# Allegro board BeagleBoard-xM.brd (continued)
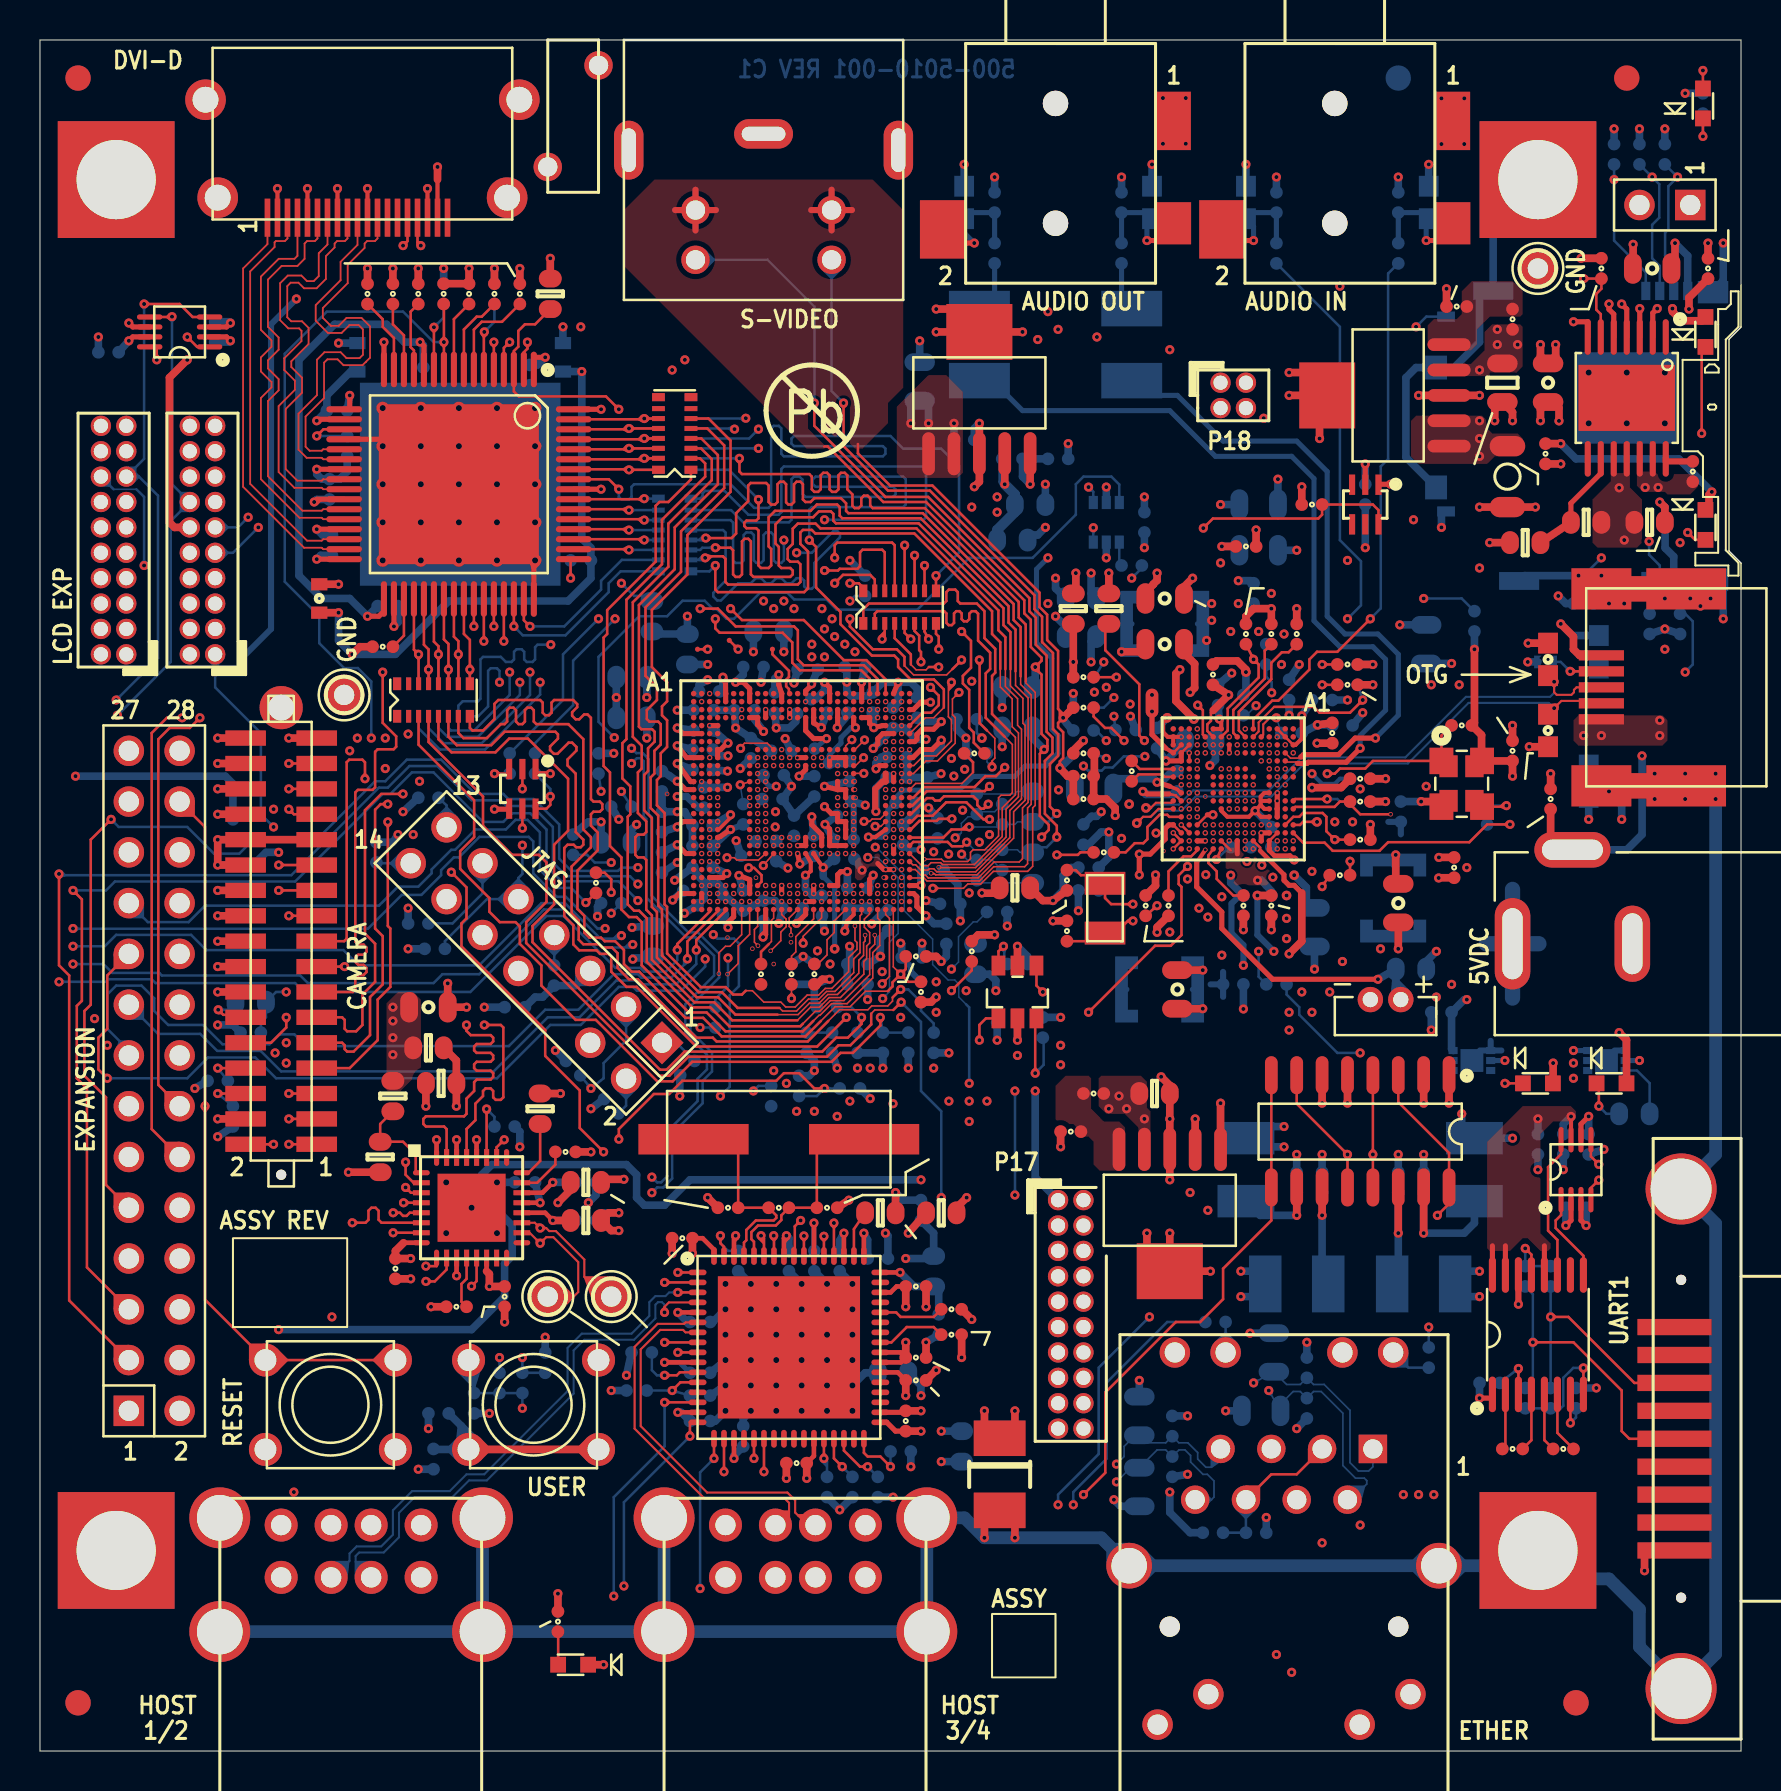
[diagram p0: board, top side]
## Routing (per net, layer and track width the routed paths; a pad name or vN(x,y) marks a point on that pad's centre or on a via; arc(x,y) is an arc through that point) (continued)
  LYR4-SIG w0.076: 25.77,47.3 27.78,49.31 28.73,49.31 29.13,49.71 29.13,50.58 29.59,51.04 31.5,51.04 31.72,50.81 32.52,50.81 33.91,52.2 38.04,52.2 38.61,51.63 40.89,51.63 41.47,52.2 42.99,52.2 44.39,53.59 44.73,53.59 45.36,52.96 v1(45.97,52.96)
  LYR4-SIG w0.127: 25.77,47.3 25.59,47.12 23.49,47.12 23.08,47.54 22.56,47.54 22.33,47.31 21.59,47.31 21.23,47.67 19.51,47.67 19.25,47.41 17.44,47.41 v1(17.4,47.37)
CAM_D8: length 54.7
  TOP w0.127: v1(17.4,46.48) 17.4,41.27 17.53,41.15 17.53,38.23 16.89,37.59 16.89,35.56 15.49,34.16 13.84,34.16
  LYR3-SIG w0.076: v2(43.1,49.3) 44.62,49.3 44.81,49.48 45.25,49.48 45.45,49.28 45.8,49.28 45.96,49.11 v1(46.25,49.11)
  LYR4-SIG w0.076: 26.24,46.84 26.24,47.05 27.98,48.79 31.64,48.79 31.72,48.88 32.03,48.88 32.12,48.79 33.1,48.79 33.72,49.42 34.58,49.42 34.95,49.78 35.26,49.78 35.79,50.32 36.68,50.32 36.96,50.04 37.97,50.04 38.86,49.15 40.08,49.15 40.89,48.34 41.41,48.34 41.62,48.13 42.72,48.13 42.98,48.39 44.63,48.39 44.73,48.29 45.9,48.29 46.25,48.64 v1(46.25,49.11)
  LYR4-SIG w0.127: v1(17.4,46.48) 17.4,45.72 17.69,45.43 18.84,45.43 19.39,45.97 19.39,46.6 19.94,47.16 20.85,47.16 21.68,46.33 23.51,46.33 23.77,46.58 25.23,46.58 25.46,46.36 25.46,45.91 25.78,45.59 26.11,45.59 26.24,45.72 26.24,46.84
CAM_D9: length 54.8
  TOP w0.127: P10.5 v1(12.45,32.89)
  LYR3-SIG w0.076: v1(45.71,48.77) 45.44,49.05 45.22,49.26 44.92,49.26 44.55,48.9 v2(43.1,48.9)
  LYR3-SIG w0.127: v1(12.45,32.89) 14.22,32.89 15.55,34.22 15.55,34.43 15.25,34.72 15.25,34.94 15.4,35.08 15.61,35.08 15.91,34.79 16.12,34.79 16.57,35.24 16.57,37.53 17.53,38.48 17.53,40.39 18.87,41.73 18.87,42.6 17.58,43.89 17.58,45.21 17.73,45.37 18.19,45.37 v1(18.67,45.85)
  LYR4-SIG w0.076: 25.97,47.11 27.89,49.03 32.6,49.03 33.91,50.34 33.91,50.55 34.24,50.88 34.54,50.88 34.78,50.64 36.77,50.64 37.12,50.28 38.11,50.28 38.99,49.4 40.11,49.4 40.97,48.54 41.48,48.54 41.66,48.36 42.62,48.36 42.93,48.67 44.68,48.67 44.83,48.51 45.45,48.51 v1(45.71,48.77)
  LYR4-SIG w0.127: 25.97,47.11 25.72,46.86 23.56,46.86 23.39,46.7 21.76,46.7 21.04,47.42 19.73,47.42 18.67,46.36 v1(18.67,45.85)
CAM_D10: length 54.6
  TOP w0.127: P10.3 v1(12.45,31.62)
  LYR2-GND w0.076: 41.76,54.13 41.76,54 41.86,53.9 41.86,52.94 v3(42.3,52.5)
  LYR2-GND w0.127: 41.76,54.13 41.76,54.32 41.49,54.59 41.09,54.99 v1(40.77,54.99)
  LYR3-SIG w0.127: v1(18.99,48.51) 19.3,48.2 19.3,47.88 19.43,47.75 20.07,47.75 20.19,47.62 20.19,47.37 20.07,47.24 19.43,47.24 19.3,47.12 19.3,45.85 19.81,45.34 19.81,43.69 19.3,43.18 19.3,41.66 17.91,40.26 17.91,38.25 16.95,37.3 16.95,34.99 14.61,32.64 14.61,31.81 14.48,31.69 14.16,31.69 14.03,31.81 14.03,32.32 13.91,32.45 13.59,32.45 13.46,32.32 13.46,31.75 13.34,31.62 v1(12.45,31.62)
  LYR4-SIG w0.076: 39.9,54.13 39.76,53.99 39.76,52.93 39.6,52.77 31.69,52.77 30.73,51.82 28.32,51.82 27.69,51.18 27.69,50.23 27.56,50.1 26.92,50.1 26.12,49.3 25.43,49.3
  LYR4-SIG w0.127: 25.43,49.3 25.07,49.3 24.32,48.55 23.96,48.55 23.88,48.48 19.02,48.48 v1(18.99,48.51) ; v1(40.77,54.99) 39.9,54.13
CAM_D11: length 54.7
  TOP w0.127: P10.1 v1(12.45,30.35)
  LYR2-GND w0.076: v3(42.7,52.1) 42.7,52.93 42.3,53.33 42.3,54.13
  LYR2-GND w0.127: v1(39.62,56.64) 39.9,56.64 40.41,56.13 40.66,56.13 42.3,54.49 42.3,54.13
  LYR3-SIG w0.127: v1(18.41,50.88) 18.41,49.02 16.95,47.56 16.95,38.48 16.19,37.72 16.19,36.96 12.76,33.53 12.38,33.53 12.03,33.17 12.03,31.22 12.45,30.8 v1(12.45,30.35)
  LYR4-SIG w0.076: 25.43,51.6 25.65,51.6 28.28,54.23 30.1,54.23 31.37,55.5 32.38,55.5 32.92,56.03 34.2,56.03
  LYR4-SIG w0.127: 34.2,56.03 34.29,56.03 34.58,56.32 38.8,56.32 39.12,56.64 v1(39.62,56.64) ; 25.43,51.6 21.88,51.6 21.65,51.37 18.91,51.37 v1(18.41,50.88)
CAM_FLD: length 54.5
  TOP w0.127: P10.10 11.56,35.43 12.32,36.2 v1(12.32,36.7)
  LYR2-GND w0.076: 40.51,54.06 40.73,53.85 40.73,53.31 41.18,52.86 41.18,52.42 v3(41.5,52.1)
  LYR2-GND w0.127: v1(38.61,55.37) 39.31,55.37 39.75,54.93 39.75,54.7 40.38,54.06 40.51,54.06
  LYR3-SIG w0.127: v1(12.32,36.7) 12.32,36.27 12.47,36.12 13.18,36.12 13.91,36.84 13.91,41.02 15.43,42.55 15.43,42.86 15.28,43.01 14.63,43.01 14.48,43.16 14.48,43.37 14.63,43.52 15.28,43.52 15.43,43.67 15.43,43.88 15.28,44.03 14.63,44.03 14.48,44.17 14.48,44.38 14.63,44.53 15.28,44.53 15.43,44.68 15.43,48.77 15.05,49.15 15.05,49.59 v1(15.49,50.04)
  LYR4-SIG w0.076: 25.43,50.32 25.74,50.32 26.61,51.18 26.61,51.63 28.45,53.47 30.99,53.47 31.5,53.98 31.5,54.47 31.75,54.72 34.18,54.72 34.2,54.7
  LYR4-SIG w0.127: 25.43,50.32 24.8,50.32 24.32,50.8 22.54,50.8 21.44,49.7 15.84,49.7 v1(15.49,50.04) ; 34.2,54.7 34.92,54.7 35.05,54.57 35.86,54.57 36.11,54.82 36.11,55.28 36.32,55.5 37.47,55.5 37.59,55.37 v1(38.61,55.37)
CAM_HS: length 54.5
  TOP w0.127: v1(33.02,57.15) 33.91,57.15 34.8,56.26 37.72,56.26 37.91,56.07 37.91,54.61 38.2,54.32 41.21,54.32 41.9,53.63 U4.A24 ; 13.84,48.13 v1(12.45,48.13)
  LYR4-SIG w0.076: 25.43,52.11 25.58,52.11 28.19,54.71 29.82,54.71 30.03,54.92 30.03,55.05 29.84,55.24 29.84,55.36 29.93,55.45 30.05,55.45 30.25,55.26 30.37,55.26 30.46,55.35 30.46,55.48 30.27,55.67 30.27,55.8 30.36,55.89 30.48,55.89 30.68,55.69 30.8,55.69 30.9,55.79 30.9,55.89 30.72,56.07 30.72,56.22 30.83,56.34 30.99,56.34 31.32,56.01 31.51,56.01 31.6,56.1 31.6,57.06 31.69,57.15 31.81,57.15 31.9,57.06 31.9,56.1 31.99,56.01 32.14,56.01 32.65,56.52 33.13,56.52 33.46,56.85 33.46,57.02 33.34,57.15 v1(33.02,57.15)
  LYR4-SIG w0.127: 25.43,52.11 21.5,52.11 21.4,52.01 18.8,52.01 18.67,52.13 18.67,53.02 18.54,53.15 18.34,53.15 18.21,53.02 18.21,52.13 18.08,52.01 17.86,52.01 17.73,52.13 17.73,53.02 17.6,53.15 16.36,53.15 16.23,53.28 16.23,54 16.1,54.13 14.71,54.13 14.07,53.49 11.46,53.49 10.72,52.76 10.72,51.51 12.17,50.06 12.75,50.06 12.88,49.94 12.88,48.84 12.75,48.72 12.04,48.72 11.91,48.59 11.91,48.26 12.04,48.13 v1(12.45,48.13)
CAM_IO: length 119.1
  TOP w0.381: P10.18 v1(8.89,40.51) ; P10.16 v1(8.89,39.24)
  LYR3-SIG w0.203: v2(62.29,50.33) 62.29,50.35 63.89,51.94
  LYR3-SIG w0.305: v1(65.02,73.28) 65.02,62.23 67.18,60.07 67.18,52.45 66.67,51.94 v1(66.17,51.94) ; v1(8.89,39.24) v1(8.89,40.51)
  LYR3-SIG w0.381: 63.89,51.94 v1(66.17,51.94)
  LYR4-SIG w0.305: v1(8.89,40.51) 8.26,41.15 8.26,50.93 8.78,51.45 8.78,53.35 v1(10.1,54.67) ; v1(65.02,73.28) 13.46,73.28 v1(12.83,72.64)
  BOTTOM w0.305: v1(10.1,54.67) 11.56,56.13 11.56,71.37 v1(12.83,72.64)
  BOTTOM w0.381: 65.66,51.31 v1(66.17,51.94)
CAM_PCLK: length 54.5
  TOP w0.127: 13.84,46.86 12.7,46.86 v1(12.45,47.12)
  LYR2-GND w0.076: v3(43.1,52.1) 42.85,52.35 42.85,53.02 42.56,53.31 42.56,53.62 42.56,54.02
  LYR2-GND w0.127: 42.56,54.02 42.56,54.6 40.93,56.22 40.93,56.82 40.69,57.06 39.2,57.06 v1(39.12,57.15)
  LYR4-SIG w0.076: 34.2,56.41 34.06,56.27 32.78,56.27 32.26,55.75 31.24,55.75 29.97,54.48 28.26,54.48 25.63,51.85 25.43,51.85
  LYR4-SIG w0.127: v1(12.45,47.12) 12.76,46.8 13.4,46.8 13.53,46.93 13.53,52.86 13.65,52.98 13.87,52.98 14,52.86 14,49.91 14.12,49.78 14.92,49.78 15.05,49.91 15.05,51.51 15.18,51.64 15.37,51.64 15.49,51.51 15.49,51.24 15.62,51.12 15.81,51.12 15.94,51.24 15.94,52.04 16.07,52.17 16.26,52.17 16.38,52.04 16.38,51.24 16.51,51.12 16.7,51.12 16.83,51.24 16.83,52.64 16.95,52.77 17.12,52.77 17.25,52.64 17.25,51.27 17.4,51.12 17.65,51.12 17.78,51.24 17.78,51.56 17.91,51.69 21.53,51.69 21.69,51.85 25.43,51.85 ; 34.2,56.41 34.37,56.58 38.54,56.58 v1(39.12,57.15)
CAM_VS: length 54.5
  TOP w0.127: U4.A23 41.5,53.65 41.08,54.06 38.01,54.06 37.63,54.44 37.63,55.46 37.15,55.94 34,55.94 33.78,56.16 v1(33.78,56.64) ; 13.84,49.4 v1(12.45,49.4)
  LYR4-SIG w0.076: v1(33.78,56.64) 33.78,57.38 33.63,57.53 31.62,57.53 31.32,57.23 31.32,56.77 31.22,56.67 30.76,56.67 29.59,55.5 29.59,55.07 29.48,54.96 29.33,54.96 29.24,55.05 29.24,55.28 29.15,55.37 29.03,55.37 28.94,55.28 28.94,55.05 28.85,54.96 28.14,54.96 25.54,52.36 25.43,52.36
  LYR4-SIG w0.127: v1(12.45,49.4) 10.54,49.4 10.41,49.53 10.41,49.78 10.54,49.91 11.13,49.91 11.25,50.04 11.25,50.32 11.13,50.44 10.52,50.44 10.39,50.57 10.39,54.15 10.64,54.41 11.09,54.41 11.24,54.26 11.24,53.97 11.39,53.82 11.6,53.82 11.75,53.97 11.75,54.76 11.88,54.89 12.13,54.89 12.26,54.76 12.26,53.97 12.41,53.82 12.62,53.82 12.77,53.97 12.77,54.76 12.89,54.89 13.15,54.89 13.28,54.76 13.28,53.97 13.42,53.82 13.63,53.82 13.78,53.97 13.78,54.65 13.97,54.84 14.17,54.84 14.61,54.41 16.51,54.41 16.64,54.28 16.64,53.59 16.76,53.47 17.55,53.47 17.7,53.62 18.67,53.62 19.05,53.24 19.05,52.49 19.18,52.36 25.43,52.36
CAM_WEN: length 52
  LYR2-GND w0.076: v3(41.5,52.5) 41.47,52.53 41.47,53.62 41.23,53.85 41.23,54.13
  LYR2-GND w0.127: 41.23,54.13 41.13,54.23 41.04,54.32 40.49,54.32 40.01,54.8 40.01,55.03 39.75,55.29 v1(39.75,55.75)
  LYR3-SIG w0.127: v1(15.88,50.67) 15.49,50.67 14.67,49.85 14.67,48.96 15.05,48.58 15.05,45.28 14.73,44.96 14.22,44.96 14.03,44.77 14.03,41.72 13.46,41.15 13.46,38.1 13.34,37.97 v1(12.32,37.97)
  LYR4-SIG w0.076: 25.43,50.57 25.63,50.57 26.37,51.31 26.37,51.7 28.38,53.72 30.86,53.72 31.27,54.13 31.27,54.66 31.6,54.99 32.64,54.99 33.17,55.52 34.2,55.52
  LYR4-SIG w0.127: 34.2,55.52 34.7,55.52 34.99,55.82 35.31,55.82 35.57,55.55 35.86,55.55 36.13,55.82 38.8,55.82 38.99,55.63 39.32,55.63 39.45,55.75 v1(39.75,55.75) ; 25.43,50.57 24.94,50.57 24.42,51.09 22.34,51.09 21.24,49.99 20.75,49.99 20.6,50.14 20.6,50.57 20.45,50.72 20.24,50.72 20.09,50.57 20.09,50.14 19.94,49.99 16.2,49.99 15.88,50.32 v1(15.88,50.67)
  BOTTOM w0.127: R124.2 11.05,36.45 11.3,36.7 R83.2 11.81,37.97 v1(12.32,37.97)
CAP_VDD_DSI: length 3.5
  TOP w0.076: U4.AH20 39.73,41.53 39.73,40.94 39.37,40.58 39.37,39.83 38.91,39.37 C82.1
CAP_VDD_SRAM_CORE: length 8.9
  TOP w0.076: U4.L21 40.71,48.91 v1(41.21,48.91)
  LYR4-SIG w0.076: v4(47.12,50.67) 47.12,49.91 46.74,49.53 46.14,49.53 45.87,49.26 44.82,49.26 44.42,48.87 42.88,48.87 42.6,48.59 41.71,48.59 41.39,48.91 v1(41.21,48.91)
  BOTTOM w0.127: 46.86,51.61 46.86,50.93 v4(47.12,50.67)
CAP_VDD_SRAM_MPU_IVA: length 2.1
  TOP w0.178: v1(34.54,46.84) 34.54,46.69 33.95,46.1 U4.V4
  BOTTOM w0.381: C80.1 v1(34.54,46.84)
CAP_VDD_WKUP: length 2.9
  TOP w0.203: v1(38.29,43.81) 38.56,44.02 38.56,44.45 U4.AA15
  BOTTOM w0.381: C79.1 38.63,42.8 38.29,43.14 v1(38.29,43.81)
CLK24_EN: length 3.3
  TOP w0.127: R106.1 44.7,21.72 43.05,21.72 42.83,21.94 U15.44
CLK256FS: length 5.2
  TOP w0.127: R51.2 v1(64.14,43.24)
  LYR3-SIG w0.127: v1(64.14,43.24) 64.14,44.32 62.13,46.33 v2(61.49,46.33)
CLK_REQ: length 43.8
  LYR3-SIG w0.076: v1(44.83,36.96) 44.13,37.66 44.13,39.15 43.59,39.7 43.59,40.72 42.65,41.66 42.65,42.55 v2(42.3,42.9)
  LYR3-SIG w0.127: v2(60.29,47.53) 60.64,47.88 61.03,47.88 61.47,47.43 63.06,47.43 63.55,46.94 65.02,46.94 65.23,46.74 65.23,46.28 66.42,45.09 66.42,42.01 64.64,40.23 64.64,38.86 64.01,38.23 64.01,37.34 v1(63.63,36.96)
  LYR4-SIG w0.127: v1(44.83,36.96) 45.34,36.45 50.04,36.45 50.76,35.73 60.87,35.73 61.66,36.51 63.18,36.51 v1(63.63,36.96)
CLKOUT: length 5
  TOP w0.127: R98.2 17.02,31.37 R122.1 18.16,30.48 18.8,29.84 18.8,28.93 U14.1
CMOS_OE: length 2.6
  TOP w0.127: v1(8.92,37.08) 9.17,36.83 10.16,36.83 P10.12
  BOTTOM w0.127: R83.1 9.4,37.08 v1(8.92,37.08)
CONN_AUXL: length 6.5
  TOP w0.254: P6.3 70.66,75.56 v1(69.34,75.56)
  BOTTOM w0.254: v1(69.34,75.56) 69.34,76.53 D10.2 69.16,76.96 C100.1 C98.2
CONN_AUXR: length 6.6
  TOP w0.254: P6.2 59.13,75.56 v1(60.71,75.56)
  BOTTOM w0.254: C99.2 C101.1 60.63,76.96 D11.2 60.71,76.28 v1(60.71,75.56)
CONN_HSOL: length 6.6
  TOP w0.254: v1(55.37,75.56) 56.69,75.56 P5.3
  BOTTOM w0.254: R58.2 C90.1 55.32,76.96 D8.2 55.37,76.4 v1(55.37,75.56)
CONN_HSOR: length 6.9
  TOP w0.254: P5.2 45.16,75.44 v1(46.74,75.44)
  BOTTOM w0.254: v1(46.74,75.44) 46.23,75.95 D9.2 46.53,76.96 C89.1 R60.2
CP.CAPM: length 2.2
  TOP w0.127: C106.2 55.01,49.13 56.68,49.13 U7.T6
CP.CAPP: length 2.3
  TOP w0.127: U7.T7 56.69,48.73 56.26,48.73 56.14,48.86 54.95,48.86 C106.1
DC_5V: length 59.3
  LYR3-SIG w0.305: 27.94,83.44 RT1.1 ; RT1.1 27.05,84.33 ; RT1.1 28.83,84.33 ; P11.2 3.57,54.35 ; P11.2 2.53,54.35 ; P11.2 2.53,55.38 ; P11.1 4.84,54.35 ; P11.1 3.8,54.35 ; P11.1 4.84,55.38
  LYR4-SIG w0.381: P9.2 5.71,18.29 3.81,18.29 1.4,20.7 1.4,37.72 2.29,38.61 2.29,48.26 v1(1.78,48.77) 1.78,53.59 P11.2
  BOTTOM w0.381: R154.2 9.65,48.39 9.27,48.77 v1(1.78,48.77)
  vias: v1(72.01,66.55) v1(72.01,65.66) v1(72.01,64.77) v1(76.71,34.42) v1(76.71,33.66) v1(80.29,63.21) v1(80.94,63.21)
DC_5V_USB: length 19.2
  TOP w0.381: U13.6 v1(64.14,32.41) ; U13.2 v1(69.22,32.41) ; v1(57.79,31.62) U16.2 ; v1(59.05,32.41) U16.1
  LYR4-SIG w0.381: v1(69.22,32.41) 68.22,31.42 65.13,31.42 v1(64.14,32.41) v1(59.05,32.41) 58.57,32.41 v1(57.79,31.62)
DC_IN: length 29.2
  TOP w0.381: D13.2 79.36,35.57 v1(78.99,35.94)
  LYR3-SIG w0.762: 72.47,40.39 P2.1 ; P2.1 74.85,40.39 ; P2.1 73.66,37.79 ; P2.1 73.66,42.98
  LYR4-SIG w0.381: v1(66.29,60.2) 70.23,60.2 71.25,59.18 v1(72.01,59.18)
  BOTTOM w0.305: 79.3,35.53 U31.1 78.76,35.04 ; 72.03,35.04 U32.1 ; U32.1 72.57,35.53 ; U32.1 73.1,35.04
  BOTTOM w0.381: R144.1 v1(66.29,60.2)
  BOTTOM w0.762: 72.34,40.39 P2.1 ; P2.1 73.66,43.1 ; P2.1 73.66,37.67 ; P2.1 74.98,40.39
DDC_I2C3_SCL: length 17.4
  TOP w0.127: v1(18.16,75.31) 18.38,75.53 P12.15 ; U12.8 5.84,70.25 v1(5.84,69.6)
  LYR4-SIG w0.127: v1(18.16,75.31) 11.18,75.31 5.84,69.98 v1(5.84,69.6)
DDC_I2C3_SDA: length 16.4
  TOP w0.127: U12.1 7.86,70.25 v1(7.37,70.74) ; v1(19.05,75.31) 18.88,75.48 P12.16
  LYR4-SIG w0.127: v1(19.05,75.31) 18.54,74.8 11.43,74.8 v1(7.37,70.74)
DIG.MIC.0: length 6.2
  TOP w0.127: U7.G2 59.97,51.05 59.97,51.99 61.59,53.62 61.59,54.44 62.12,54.97 62.46,54.97 C96.2
DIG.MIC.1: length 5.5
  TOP w0.127: C97.2 61.26,55.04 61.26,53.65 59.72,52.1 59.72,52.1 59.69,52.07 59.69,50.93 U7.H2
DK1: length 4.1
  TOP w0.127: R97.2 22.1,71.75 21.84,71.75 21.2,71.12 U11.8
DK2: length 4.8
  TOP w0.127: R96.2 23.11,71.5 22.1,71.5 21.7,71.11 U11.7
DK3: length 3.5
  TOP w0.127: U11.6 22.2,70.97 v1(22.22,70.99)
  BOTTOM w0.127: v1(22.22,70.99) 22.73,71.5 R95.2
DKEN: length 2.6
  TOP w0.127: R88.2 18.21,55.8 U11.35
DMAREQ3: length 70.2
  TOP w0.127: v1(28.19,29.97) 27,31.17 27,33.05 25.27,34.77 25.27,36.07 21.08,40.26 21.08,41.4 21.34,41.66 21.34,43.21 v1(20.57,43.97)
  LYR3-SIG w0.076: v2(35.5,47.7) 35.35,47.55 33.81,47.55 33.45,47.9 33.45,49.12 32.4,50.18 32.4,50.51 32.09,50.81 31.64,50.81 31.11,50.29 30.21,50.29 29.44,51.07 ; 50.55,18.05 51.32,18.05 P17.16
  LYR3-SIG w0.127: 29.44,51.07 29.41,51.09 28.28,51.09 27.1,49.91 25.15,49.91 23.52,48.29 23.52,47.27 20.57,44.32 v1(20.57,43.97) ; 50.55,18.05 49.77,18.05 47.5,20.32 47.5,21.72 46.67,22.54 46.67,24.4 43.93,27.14 42.43,27.14 41.38,28.19 39.14,28.19 38.89,27.94 36.2,27.94 34.92,29.21 28.96,29.21 v1(28.19,29.97)
DSS_ACBIAS: length 5.9
  TOP w0.127: v1(44.07,54.48) 44.07,54.98 43.98,55.07 43.98,55.8 43.75,56.03 RP4.6
  LYR3-SIG w0.076: v1(44.07,54.48) 44.07,53.85 43.79,53.57 43.79,51.63 43.46,51.3 v2(43.1,51.3)
DSS_D0: length 71.7
  LYR3-SIG w0.076: 44.75,54.61 44.46,54.33 44.46,53.98 43.94,53.45 43.94,51.49 43.38,50.93 43.38,50.78 v2(42.7,50.1)
  LYR3-SIG w0.127: v1(35.31,66.67) 35.31,66.04 34.67,65.41 33.27,65.41 33.15,65.28 33.15,64.38 33.27,64.25 36.94,64.25 37.85,65.15 37.85,66.42 37.97,66.55 39.35,66.55 39.48,66.42 39.48,64.66 39.62,64.52 39.83,64.52 39.98,64.66 39.98,66.42 40.11,66.55 40.36,66.55 40.49,66.42 40.49,64.66 40.64,64.52 40.85,64.52 41,64.66 41,66.42 41.13,66.55 41.4,66.55 41.53,66.42 41.53,64.52 41.66,64.39 43.56,64.39 43.69,64.26 43.69,60.47 43.96,60.2 45.25,60.2 45.38,60.07 45.38,54.94 45.08,54.65 44.78,54.65 44.75,54.61
  LYR4-SIG w0.076: 25.43,56.53 26.93,58.04 29.27,58.04 31.11,59.88
  LYR4-SIG w0.127: 31.11,59.88 31.11,63.99 32.73,65.61 32.94,65.61 33.17,65.38 33.38,65.38 33.53,65.53 33.53,65.74 33.3,65.97 33.3,66.18 33.78,66.66 35.29,66.66 v1(35.31,66.67) ; v1(22.99,53.47) 22.99,54.36 23.87,55.24 24.82,55.24 25.02,55.44 25.02,56.13 25.43,56.53
  BOTTOM w0.127: v1(35.31,66.67) 35.29,66.66 RP2.3 ; v1(22.99,53.47) 22.99,54.04 22.86,54.17 22.54,54.17 22.42,54.04 22.42,52.26 21.92,51.77 RP5.1
DSS_D1: length 72.4
  LYR3-SIG w0.076: 41.5,54.13 41.5,53.95 41.66,53.8 41.66,51.66 41.34,51.35 41.34,51.04 42.28,50.1 v2(42.3,50.1)
  LYR3-SIG w0.127: v1(34.74,66.13) 32.74,66.13 32.61,66 32.61,64.01 32.74,63.88 37.21,63.88 38.45,65.12 38.63,65.12 38.84,64.92 38.84,64.74 37.97,63.88 37.97,61.72 37.85,61.59 37.59,61.59 37.47,61.72 37.47,63.25 37.34,63.37 35.56,63.37 35.43,63.25 35.43,62.11 35.58,61.96 36.7,61.96 36.83,61.84 36.83,61.58 36.7,61.46 35.58,61.46 35.43,61.31 35.43,61.1 35.58,60.95 36.32,60.95 36.45,60.82 36.45,60.57 36.32,60.44 35.58,60.44 35.43,60.29 35.43,59.65 35.56,59.52 38.49,59.52 39.08,60.11 40.56,60.11 41.02,59.65 41.02,57.91 41.71,57.23 41.71,54.62 41.5,54.42 41.5,54.13
  LYR4-SIG w0.076: 31.43,59.82 29.4,57.79 27.11,57.79 25.55,56.22 v1(25.55,55.35)
  LYR4-SIG w0.127: 31.43,59.82 31.43,62.82 31.87,63.25 31.87,63.46 31.61,63.72 31.61,63.93 31.76,64.08 31.97,64.08 32.23,63.82 32.44,63.82 32.59,63.97 32.59,64.18 32.33,64.44 32.33,64.65 32.48,64.8 32.69,64.8 32.95,64.54 33.16,64.54 v1(34.74,66.13)
  BOTTOM w0.127: RP5.2 20.93,52.3 21.15,52.51 21.91,52.51 22.03,52.64 22.03,54.61 22.16,54.74 23.05,54.74 23.3,54.48 23.59,54.48 23.71,54.61 23.71,54.99 23.84,55.12 24.09,55.12 24.22,54.99 24.22,54.61 24.35,54.48 24.64,54.48 24.76,54.61 24.76,55.22 24.89,55.35 v1(25.55,55.35) ; RP2.4 34.71,66.16 v1(34.74,66.13)
DSS_D2: length 71.2
  TOP w0.127: U4.E28 44.15,51.94 44.58,51.94 44.96,52.32 44.96,52.8 v1(44.55,53.21)
  LYR3-SIG w0.076: 45.46,54.13 v1(44.55,53.21)
  LYR3-SIG w0.127: 45.46,54.13 45.68,54.35 45.68,60.58 45.55,60.71 44.45,60.71 44.32,60.83 44.32,61.09 44.45,61.21 45.44,61.21 45.59,61.36 45.59,61.57 45.44,61.72 44.45,61.72 44.32,61.85 44.32,62.1 44.45,62.23 45.44,62.23 45.59,62.38 45.59,62.59 45.44,62.74 44.45,62.74 44.32,62.86 44.32,63.12 44.45,63.25 45.44,63.25 45.59,63.39 45.59,63.6 45.44,63.75 44.45,63.75 44.32,63.88 44.32,64.13 44.45,64.26 45.85,64.26 45.97,64.39 45.97,64.64 45.85,64.77 42.16,64.77 42.04,64.9 42.04,67.82 41.91,67.94 40.89,67.94 40.77,67.82 40.77,67.06 40.64,66.93 37.47,66.93 37.34,66.8 37.34,65.28 36.7,64.64 35.69,64.64 35.43,64.9 35.43,65.62 v1(35.94,66.13)
  LYR4-SIG w0.076: 31.75,59.75 29.53,57.53 27.3,57.53 25.97,56.2 25.97,55.12 25.74,54.89 25.43,54.89
  LYR4-SIG w0.127: v1(23.49,53.98) 23.49,54.29 24.09,54.89 25.43,54.89 ; v1(35.94,66.13) 35.41,65.6 34.73,65.6 31.81,62.67 31.81,61.66 31.75,61.59 31.75,59.75
  BOTTOM w0.127: v1(23.49,53.98) 23.49,52.83 21.72,51.05 20.56,51.05 20.43,51.18 RP5.3 ; RP2.5 35.48,65.66 v1(35.94,66.13)
DSS_D3: length 71.1
  LYR3-SIG w0.076: 46.46,54.13 46.16,53.84 45.44,53.84 45.22,53.62 45.22,52.57 44.69,52.03 44.69,51.65 43.92,50.88 43.92,49.97 43.82,49.87 42.87,49.87 v2(42.7,49.7)
  LYR3-SIG w0.127: v1(35.94,65.17) 36.59,65.17 36.83,65.41 36.83,68.83 36.96,68.96 37.42,68.96 37.57,68.81 37.57,68.09 37.72,67.94 40.21,67.94 40.34,68.07 40.34,68.33 40.21,68.45 38.23,68.45 38.08,68.6 38.08,68.81 38.23,68.96 42.42,68.96 42.55,68.83 42.55,65.41 42.67,65.28 46.23,65.28 46.48,65.02 46.48,63.88 46.08,63.47 46.08,57.66 46.55,57.19 46.55,54.22 46.46,54.13
  LYR4-SIG w0.076: 32.07,59.69 29.65,57.28 27.5,57.28 26.23,56.01 26.23,54.93 25.81,54.51 25.43,54.51
  LYR4-SIG w0.127: v1(24,53.47) 24,54.1 24.41,54.51 25.43,54.51 ; v1(35.94,65.17) 34.88,65.17 32.19,62.48 32.19,61.53 32.07,61.4 32.07,59.69
  BOTTOM w0.127: v1(24,53.47) 24,52.83 21.91,50.74 20.38,50.74 19.93,51.19 RP5.4 ; v1(35.94,65.17) RP2.6
DSS_D4: length 72.2
  TOP w0.076: 49.31,53.51 49.31,53.44 49.78,52.96 49.78,47.31 49.66,47.18 49.66,44.26 49.4,44.01 47.69,44.01 47.06,43.37 46.41,43.37 46.19,43.16 v1(44.66,43.16)
  TOP w0.127: 49.31,53.51 49.31,56.36 48.96,56.71 48.96,57.49 44.27,62.18 41.66,62.18 41.53,62.31 41.53,62.67 41.4,62.8 41.21,62.8 41.08,62.67 41.08,62.31 40.96,62.18 40.75,62.18 40.64,62.29 40.64,62.87 40.39,63.12 40.39,63.82 40.26,63.94 40.07,63.94 39.94,63.82 39.94,63.12 39.81,62.99 39.62,62.99 39.5,63.12 39.5,63.82 39.37,63.94 39.18,63.94 39.05,63.82 39.05,63.12 38.93,62.99 38.73,62.99 38.61,63.12 38.61,63.75 38.48,63.88 35.12,63.88 34.99,64.01 v1(34.99,64.67)
  LYR3-SIG w0.076: v2(43.1,44.1) 43.44,43.76 43.52,43.68 44.35,43.68 44.44,43.59 44.44,43.38 v1(44.66,43.16)
  LYR4-SIG w0.076: 32.38,59.63 29.78,57.02 27.69,57.02 26.48,55.82 26.48,54.8 25.65,53.98 25.43,53.98
  LYR4-SIG w0.127: 25.43,53.98 v1(24.51,53.98) ; 32.38,59.63 32.38,61.21 32.58,61.4 32.58,62.26 32.92,62.6 33.13,62.6 33.54,62.19 33.75,62.19 33.9,62.34 33.9,62.55 33.49,62.96 33.49,63.17 v1(34.99,64.67)
  BOTTOM w0.127: RP2.7 v1(34.99,64.67) ; v1(24.51,53.98) 24.51,52.83 22.1,50.42 20.19,50.42 19.44,51.18 RP5.5
DSS_D5: length 70.7
  TOP w0.076: U4.AC28 43.79,44.1 44.06,43.83 44.28,43.83 44.43,43.68 46.93,43.68 47.73,44.48 48.98,44.48 49.15,44.64 49.15,47.18 49.43,47.46 49.43,52.68 48.8,53.31 48.8,54.02
  TOP w0.127: v1(35.94,62.61) 35.94,61.66 35.83,61.55 35.34,61.55 35.23,61.44 35.23,61.28 35.34,61.17 35.83,61.17 35.94,61.06 35.94,59.31 36.07,59.18 36.45,59.18 36.58,59.31 36.58,60.13 36.45,60.26 36.45,61.72 36.77,62.04 38.54,62.04 38.86,62.36 39.88,62.36 40.01,62.23 40.01,61.8 40.13,61.67 44.06,61.67 48.45,57.28 48.45,56.45 48.8,56.1 48.8,54.02
  LYR4-SIG w0.076: 32.7,59.56 29.34,56.2 27.24,56.2 26.73,55.69 26.73,54.67 25.53,53.47 25.43,53.47
  LYR4-SIG w0.127: 32.7,59.56 32.7,61.02 32.96,61.28 34.61,61.28 v1(35.94,62.61) ; v1(25.02,53.47) 25.43,53.47
  BOTTOM w0.127: RP5.6 18.94,51.17 20,50.1 22.27,50.1 25.02,52.85 v1(25.02,53.47) ; RP2.8 34.46,64.09 v1(35.94,62.61)
DSS_D6: length 45.9
  LYR3-SIG w0.076: v2(42.7,51.3) 42.7,51.38 42.47,51.6 42.47,53.54 42.82,53.89 42.82,54.22
  LYR3-SIG w0.127: v1(39.24,61.59) 38.61,61.59 38.48,61.72 38.48,63.88 38.61,64.01 43.05,64.01 43.18,63.88 43.18,60.96 42.8,60.58 42.8,60.07 44.96,57.91 44.96,56.26 44.83,56.13 43.18,56.13 43.05,56.01 43.05,55.24 42.82,55.01 42.82,54.22
  BOTTOM w0.127: v1(39.24,61.59) 44.2,61.59 44.32,61.72 44.32,64.13 44.2,64.26 37.21,64.26 37.08,64.13 37.08,61.98 36.96,61.85 35.43,61.85 34.24,63.04 33.27,63.04 33.15,62.92 33.15,62.78 33.02,62.65 RP3.1
DSS_D7: length 45.5
  TOP w0.076: U4.F28 44.29,51.69 44.7,51.69 45.21,52.2
  TOP w0.127: v1(38.48,60.58) 38.82,60.24 38.82,58.2 40.04,56.98 40.04,56.37 41.61,54.8 42.74,54.8 42.93,54.61 42.93,54.23 43.55,53.61 44.72,53.61 45.21,53.11 45.21,52.2
  BOTTOM w0.127: RP3.2 34.57,62.08 35.18,61.47 37.47,61.47 37.59,61.59 37.59,63.63 37.72,63.75 37.99,63.75 38.14,63.61 38.14,62.89 38.29,62.74 42.67,62.74 42.8,62.87 42.8,63.12 42.67,63.25 38.8,63.25 38.65,63.39 38.65,63.61 38.8,63.75 43.18,63.75 43.31,63.63 43.31,62.36 43.18,62.23 38.61,62.23 38.48,62.1 v1(38.48,60.58)
DSS_D8: length 45.4
  LYR3-SIG w0.076: 42.57,54.13 42.57,53.99 42.27,53.69 42.27,51.59 42.44,51.42 42.44,51.18 42.73,50.9 v2(43.1,50.9)
  LYR3-SIG w0.127: 42.57,54.13 42.57,55.12 42.8,55.35 42.8,56.26 43.05,56.52 44.32,56.52 44.58,56.77 44.58,57.79 42.42,59.94 42.42,60.71 42.8,61.09 42.8,63.5 42.67,63.63 40.1,63.63 39.95,63.48 39.95,63.27 40.1,63.12 42.14,63.12 42.29,62.97 42.29,62.76 42.14,62.61 39.59,62.61 39.44,62.76 39.44,63.48 39.3,63.63 38.99,63.63 38.86,63.5 38.86,62.23 38.99,62.1 39.62,62.1 39.75,61.98 39.75,61.21 39.62,61.09 37.34,61.09 37.21,60.96 v1(37.21,60.58)
  BOTTOM w0.127: RP3.3 34.54,61.58 34.67,61.45 34.67,59.56 34.8,59.44 35.07,59.44 35.2,59.56 35.2,60.83 35.33,60.96 35.58,60.96 35.71,60.83 35.71,59.56 35.84,59.44 36.07,59.44 36.2,59.56 36.2,60.83 36.32,60.96 36.58,60.96 36.7,60.83 36.7,59.56 36.83,59.44 37.08,59.44 37.21,59.56 v1(37.21,60.58)
DSS_D9: length 45.8
  LYR3-SIG w0.076: 42.32,54.13 42.32,54.1 42.09,53.87 42.09,51.55 42.27,51.38 42.27,50.93 v2(42.7,50.5)
  LYR3-SIG w0.127: 42.32,54.13 42.32,55.22 42.55,55.45 42.55,56.13 42.42,56.26 42.16,56.26 42.04,56.39 42.04,56.77 42.16,56.9 44.07,56.9 44.2,57.02 44.2,57.66 43.94,57.91 42.5,57.91 41.47,58.95 41.47,59.12 41.65,59.3 41.83,59.3 42.79,58.34 42.97,58.34 43.15,58.52 43.15,58.7 41.91,59.94 41.91,60.83 42.29,61.21 42.29,61.98 42.16,62.1 40.39,62.1 40.26,61.98 40.26,61.7 40.39,61.57 41.4,61.57 41.53,61.45 41.53,61.19 41.4,61.07 40.39,61.07 40.26,60.94 40.26,60.58 40.13,60.45 38.99,60.45 38.48,59.94 v1(37.85,59.94)
  BOTTOM w0.127: v1(37.85,59.94) 38.61,59.94 39.7,61.04 39.88,61.04 40.02,60.9 40.02,60.72 38.73,59.44 38.73,58.27 38.61,58.14 38.35,58.14 38.23,58.27 38.23,58.55 38.1,58.67 37.85,58.67 37.59,58.42 37.34,58.42 37.08,58.67 36.83,58.67 36.58,58.42 36.32,58.42 36.07,58.67 35.81,58.67 35.56,58.42 34.92,58.42 34.06,57.56 33.88,57.56 33.68,57.76 33.68,57.94 34.3,58.55 34.3,60.95 34.17,61.08 RP3.4
DSS_D10: length 45.4
  TOP w0.076: U4.AD28 43.52,43.68 44.22,43.68 44.37,43.53 46.99,43.53 47.71,44.24 49.26,44.24 49.4,44.39 49.4,47.18 49.58,47.36 49.58,52.83 49.05,53.36 49.05,53.77
  TOP w0.127: 49.05,53.77 49.05,56.23 48.7,56.58 48.7,57.38 44.16,61.93 40.44,61.93 40.32,62.04 40.32,62.42 40.07,62.67 38.73,62.67 38.54,62.48 38.29,62.48 38.16,62.61 38.16,63.37 38.04,63.5 37.85,63.5 37.72,63.37 37.72,62.48 37.59,62.36 37.43,62.36 37.32,62.47 37.32,63.37 37.2,63.5 37.02,63.5 36.89,63.37 36.89,62.48 36.77,62.36 36.58,62.36 36.45,62.48 36.45,63.31 36.32,63.44 35.55,63.44 35.43,63.31 35.43,62.53 34.82,61.93 34.82,60.91 34.59,60.68 v1(33.3,60.68)
  BOTTOM w0.127: v1(33.3,60.68) 33.2,60.58 RP3.5
